# KiCad board TKL.kicad_pcb (continued)
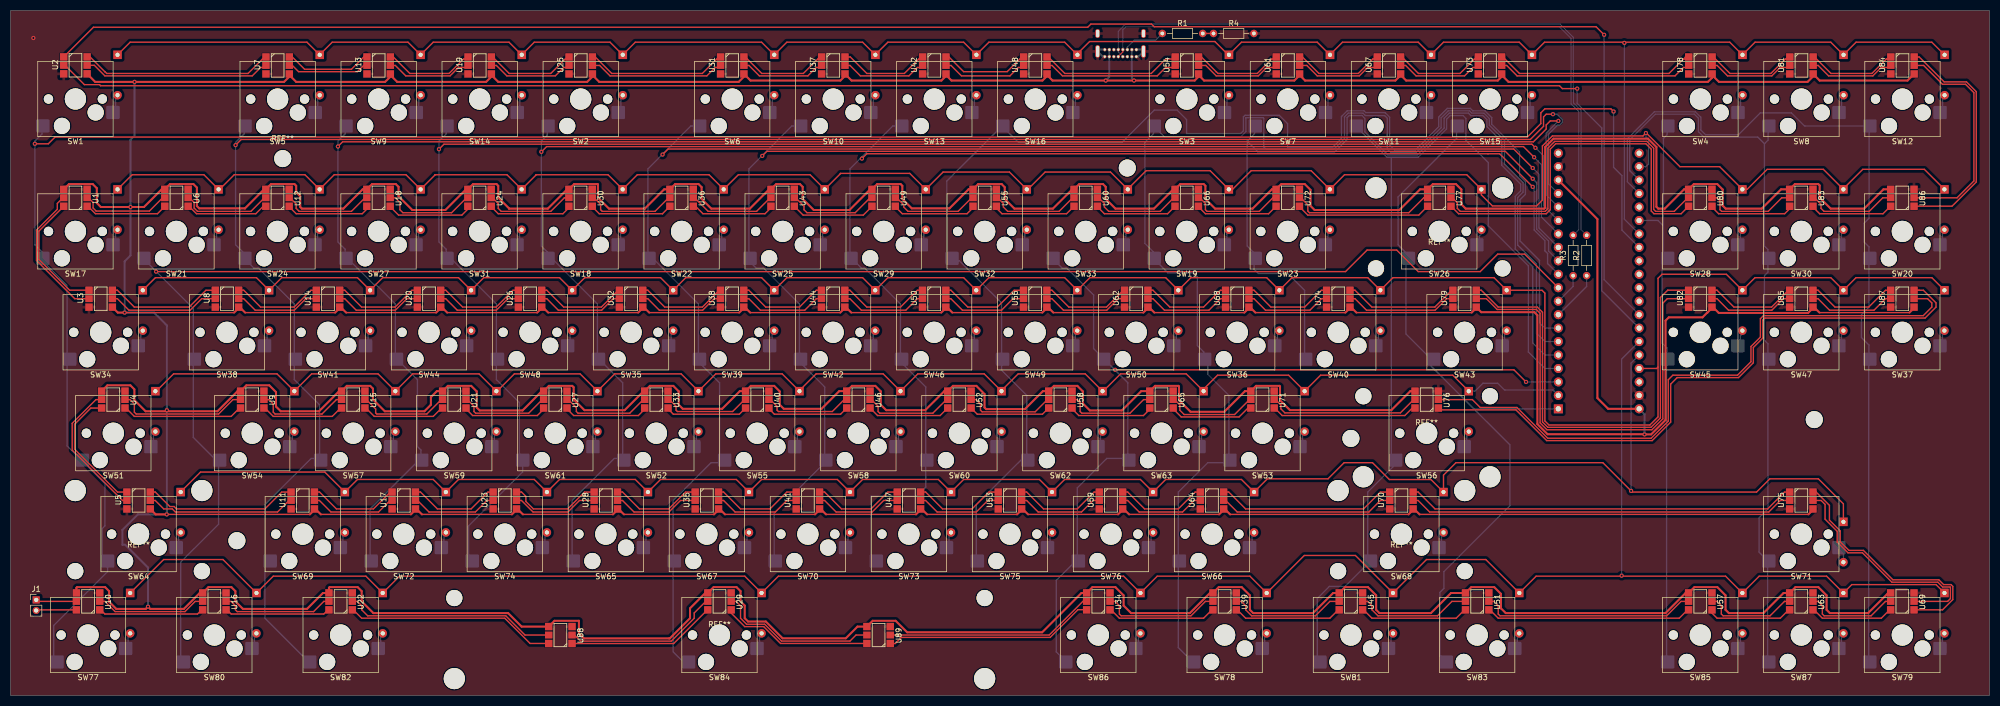
[diagram p0: board, top side]
## Nets
GND: R4.2 U1.3 U2.3 U3.3 U4.3 U5.3 U6.3 U7.3 U8.3 U9.3 U10.3 U11.3 U12.3 U13.3 U14.3 U15.3 U16.3 U17.3 U18.3 U19.3 U20.3 U21.3 U22.3 U23.3 U24.3 U25.3 U26.3 U27.3 U28.3 U29.3 U30.3 U31.3 U32.3 U33.3 U34.3 U35.3 U36.3 U37.3 U38.3 U39.3 U40.3 U41.3 U42.3 U43.3 U44.3 U45.3 U46.3 U47.3 U48.3 U49.3 U50.3 U51.3 U52.3 U53.3 U54.3 U55.3 U56.3 U57.3 U58.3 U59.3 U60.3 U61.3 U62.3 U63.3 U64.3 U65.3 U66.3 U67.3 U68.3 U69.3 U70.3 U71.3 U72.3 U73.3 U74.3 U75.3 U76.3 U77.3 U78.3 U79.3 U80.3 U81.3 U82.3 U83.3 U84.3 U85.3 U86.3 U87.3 U88.3 U89.3 U90.19 U90.39 USB1.A1 USB1.A12 USB1.B1 USB1.B12 USB1.S1
VCC: U1.4 U2.4 U3.4 U4.4 U5.4 U6.4 U7.4 U8.4 U9.4 U10.4 U11.4 U12.4 U13.4 U14.4 U15.4 U16.4 U17.4 U18.4 U19.4 U20.4 U21.4 U22.4 U23.4 U24.4 U25.4 U26.4 U27.4 U28.4 U29.4 U30.4 U31.4 U32.4 U33.4 U34.4 U35.4 U36.4 U37.4 U38.4 U39.4 U40.4 U41.4 U42.4 U43.4 U44.4 U45.4 U46.4 U47.4 U48.4 U49.4 U50.4 U51.4 U52.4 U53.4 U54.4 U55.4 U56.4 U57.4 U58.4 U59.4 U60.4 U61.4 U62.4 U63.4 U64.4 U65.4 U66.4 U67.4 U68.4 U69.4 U70.4 U71.4 U72.4 U73.4 U74.4 U75.4 U76.4 U77.4 U78.4 U79.4 U80.4 U81.4 U82.4 U83.4 U84.4 U85.4 U86.4 U87.4 U88.4 U89.4 U90.18 U90.40 USB1.A4 USB1.A9 USB1.B4 USB1.B9
CIN: U2.2 U90.34
Col1: SW1.1 SW17.1 SW34.1 SW51.1 SW64.1 SW77.1 U90.28
Col2: SW21.1 SW38.1 SW54.1 SW80.1 U90.10
Col3: SW5.1 SW24.1 SW41.1 SW57.1 SW69.1 SW82.1 U90.17
Col4: SW9.1 SW27.1 SW44.1 SW59.1 SW72.1 U90.16
Col5: SW14.1 SW31.1 SW48.1 SW61.1 SW74.1 U90.15
Col6: SW2.1 SW18.1 SW35.1 SW52.1 SW65.1 U90.14
Col7: SW6.1 SW22.1 SW39.1 SW55.1 SW67.1 SW84.1 U90.13
Col8: SW10.1 SW25.1 SW42.1 SW58.1 SW70.1 U90.12
Col9: SW13.1 SW29.1 SW46.1 SW60.1 SW73.1 U90.11
Col10: SW16.1 SW32.1 SW49.1 SW62.1 SW75.1 U90.7
Col11: SW33.1 SW50.1 SW63.1 SW76.1 SW86.1 U90.3
Col12: SW3.1 SW19.1 SW36.1 SW53.1 SW66.1 SW78.1 U90.6
Col13: SW7.1 SW23.1 SW40.1 U90.5
Col14: SW11.1 SW56.1 SW68.1 SW81.1 U90.4
Col15: SW15.1 SW26.1 SW43.1 SW83.1 U90.1
Col16: SW4.1 SW28.1 SW45.1 SW85.1 U90.26
Col17: SW8.1 SW30.1 SW47.1 SW71.1 SW87.1 U90.23
Col18: SW12.1 SW20.1 SW37.1 SW79.1 U90.24
COUT: J1.1 U10.5
D+: R3.2 USB1.A6 USB1.B6
D-: R2.2 USB1.A7 USB1.B7
DIN: U2.1 U90.33
DOUT: J1.2 U10.6
Row1: D1.1 D2.1 D3.1 D4.1 D5.1 D6.1 D7.1 D8.1 D9.1 D10.1 D11.1 D12.1 D13.1 D14.1 D15.1 D16.1 U90.27
Row2: D17.1 D18.1 D19.1 D20.1 D21.1 D22.1 D23.1 D24.1 D25.1 D26.1 D27.1 D28.1 D29.1 D30.1 D31.1 D32.1 D33.1 U90.22
Row3: D34.1 D35.1 D36.1 D37.1 D38.1 D39.1 D40.1 D41.1 D42.1 D43.1 D44.1 D45.1 D46.1 D47.1 D48.1 D49.1 D50.1 U90.37
Row4: D51.1 D52.1 D53.1 D54.1 D55.1 D56.1 D57.1 D58.1 D59.1 D60.1 D61.1 D62.1 D63.1 U90.2
Row5: D64.1 D65.1 D66.1 D67.1 D68.1 D69.1 D70.1 D71.1 D72.1 D73.1 D74.1 D75.1 D76.1 U90.36
Row6: D77.1 D78.1 D79.1 D80.1 D81.1 D82.1 D83.1 D84.1 D85.1 D86.1 D87.1 U90.35
Net-(D1-A): D1.2 SW1.2
Net-(D2-A): D2.2 SW2.2
Net-(D3-A): D3.2 SW3.2
Net-(D4-A): D4.2 SW4.2
Net-(D5-A): D5.2 SW5.2
Net-(D6-A): D6.2 SW6.2
Net-(D7-A): D7.2 SW7.2
Net-(D8-A): D8.2 SW8.2
Net-(D9-A): D9.2 SW9.2
Net-(D10-A): D10.2 SW10.2
Net-(D11-A): D11.2 SW11.2
Net-(D12-A): D12.2 SW12.2
Net-(D13-A): D13.2 SW13.2
Net-(D14-A): D14.2 SW14.2
Net-(D15-A): D15.2 SW15.2
Net-(D16-A): D16.2 SW16.2
Net-(D17-A): D17.2 SW17.2
Net-(D18-A): D18.2 SW18.2
Net-(D19-A): D19.2 SW19.2
Net-(D20-A): D20.2 SW20.2
Net-(D21-A): D21.2 SW21.2
Net-(D22-A): D22.2 SW22.2
Net-(D23-A): D23.2 SW23.2
Net-(D24-A): D24.2 SW24.2
Net-(D25-A): D25.2 SW25.2
Net-(D26-A): D26.2 SW26.2
Net-(D27-A): D27.2 SW27.2
Net-(D28-A): D28.2 SW28.2
Net-(D29-A): D29.2 SW29.2
Net-(D30-A): D30.2 SW30.2
Net-(D31-A): D31.2 SW31.2
Net-(D32-A): D32.2 SW32.2
Net-(D33-A): D33.2 SW33.2
Net-(D34-A): D34.2 SW34.2
Net-(D35-A): D35.2 SW35.2
Net-(D36-A): D36.2 SW36.2
Net-(D37-A): D37.2 SW37.2
Net-(D38-A): D38.2 SW38.2
Net-(D39-A): D39.2 SW39.2
Net-(D40-A): D40.2 SW40.2
Net-(D41-A): D41.2 SW41.2
Net-(D42-A): D42.2 SW42.2
Net-(D43-A): D43.2 SW43.2
Net-(D44-A): D44.2 SW44.2
Net-(D45-A): D45.2 SW45.2
Net-(D46-A): D46.2 SW46.2
Net-(D47-A): D47.2 SW47.2
Net-(D48-A): D48.2 SW48.2
Net-(D49-A): D49.2 SW49.2
Net-(D50-A): D50.2 SW50.2
Net-(D51-A): D51.2 SW51.2
Net-(D52-A): D52.2 SW52.2
Net-(D53-A): D53.2 SW53.2
Net-(D54-A): D54.2 SW54.2
Net-(D55-A): D55.2 SW55.2
Net-(D56-A): D56.2 SW56.2
Net-(D57-A): D57.2 SW57.2
Net-(D58-A): D58.2 SW58.2
Net-(D59-A): D59.2 SW59.2
Net-(D60-A): D60.2 SW60.2
Net-(D61-A): D61.2 SW61.2
Net-(D62-A): D62.2 SW62.2
Net-(D63-A): D63.2 SW63.2
Net-(D64-A): D64.2 SW64.2
Net-(D65-A): D65.2 SW65.2
Net-(D66-A): D66.2 SW66.2
Net-(D67-A): D67.2 SW67.2
Net-(D68-A): D68.2 SW68.2
Net-(D69-A): D69.2 SW69.2
Net-(D70-A): D70.2 SW70.2
Net-(D71-A): D71.2 SW71.2
Net-(D72-A): D72.2 SW72.2
Net-(D73-A): D73.2 SW73.2
Net-(D74-A): D74.2 SW74.2
Net-(D75-A): D75.2 SW75.2
Net-(D76-A): D76.2 SW76.2
Net-(D77-A): D77.2 SW77.2
Net-(D78-A): D78.2 SW78.2
Net-(D79-A): D79.2 SW79.2
Net-(D80-A): D80.2 SW80.2
Net-(D81-A): D81.2 SW81.2
Net-(D82-A): D82.2 SW82.2
Net-(D83-A): D83.2 SW83.2
Net-(D84-A): D84.2 SW84.2
Net-(D85-A): D85.2 SW85.2
Net-(D86-A): D86.2 SW86.2
Net-(D87-A): D87.2 SW87.2
Net-(R1-Pad2): R1.2 R4.1
Net-(U1-CIN): U1.2 U6.5
Net-(U1-COUT): U1.5 U3.2
Net-(U1-DIN): U1.1 U6.6
Net-(U1-DOUT): U1.6 U3.1
Net-(U2-COUT): U2.5 U7.2
Net-(U2-DOUT): U2.6 U7.1
Net-(U3-COUT): U3.5 U8.2
Net-(U3-DOUT): U3.6 U8.1
Net-(U4-CIN): U4.2 U9.5
Net-(U4-COUT): U4.5 U5.2
Net-(U4-DIN): U4.1 U9.6
Net-(U4-DOUT): U4.6 U5.1
Net-(U10-CIN): U10.2 U16.5
Net-(U10-DIN): U10.1 U16.6
Net-(U11-CIN): U5.5 U11.2
Net-(U11-COUT): U11.5 U17.2
Net-(U11-DIN): U5.6 U11.1
Net-(U11-DOUT): U11.6 U17.1
Net-(U12-CIN): U12.2 U18.5
Net-(U12-COUT): U6.2 U12.5
Net-(U12-DIN): U12.1 U18.6
Net-(U12-DOUT): U6.1 U12.6
Net-(U13-CIN): U7.5 U13.2
Net-(U13-COUT): U13.5 U19.2
Net-(U13-DIN): U7.6 U13.1
Net-(U13-DOUT): U13.6 U19.1
Net-(U14-CIN): U8.5 U14.2
Net-(U14-COUT): U14.5 U20.2
Net-(U14-DIN): U8.6 U14.1
Net-(U14-DOUT): U14.6 U20.1
Net-(U15-CIN): U15.2 U21.5
Net-(U15-COUT): U9.2 U15.5
Net-(U15-DIN): U15.1 U21.6
Net-(U15-DOUT): U9.1 U15.6
Net-(U16-CIN): U16.2 U22.5
Net-(U16-DIN): U16.1 U22.6
Net-(U17-COUT): U17.5 U23.2
Net-(U17-DOUT): U17.6 U23.1
Net-(U18-CIN): U18.2 U24.5
Net-(U18-DIN): U18.1 U24.6
Net-(U19-COUT): U19.5 U25.2
Net-(U19-DOUT): U19.6 U25.1
Net-(U20-COUT): U20.5 U26.2
Net-(U20-DOUT): U20.6 U26.1
Net-(U21-CIN): U21.2 U27.5
Net-(U21-DIN): U21.1 U27.6
Net-(U22-CIN): U22.2 U88.5
Net-(U22-DIN): U22.1 U88.6
Net-(U23-COUT): U23.5 U28.2
Net-(U23-DOUT): U23.6 U28.1
Net-(U24-CIN): U24.2 U30.5
Net-(U24-DIN): U24.1 U30.6
Net-(U25-COUT): U25.5 U31.2
Net-(U25-DOUT): U25.6 U31.1
Net-(U26-COUT): U26.5 U32.2
Net-(U26-DOUT): U26.6 U32.1
Net-(U27-CIN): U27.2 U33.5
Net-(U27-DIN): U27.1 U33.6
Net-(U28-COUT): U28.5 U35.2
Net-(U28-DOUT): U28.6 U35.1
Net-(U29-CIN): U29.2 U89.5
Net-(U29-COUT): U29.5 U88.2
Net-(U29-DIN): U29.1 U89.6
Net-(U29-DOUT): U29.6 U88.1
Net-(U30-CIN): U30.2 U36.5
Net-(U30-DIN): U30.1 U36.6
Net-(U31-COUT): U31.5 U37.2
Net-(U31-DOUT): U31.6 U37.1
Net-(U32-COUT): U32.5 U38.2
Net-(U32-DOUT): U32.6 U38.1
Net-(U33-CIN): U33.2 U40.5
Net-(U33-DIN): U33.1 U40.6
Net-(U34-CIN): U34.2 U39.5
Net-(U34-COUT): U34.5 U89.2
Net-(U34-DIN): U34.1 U39.6
Net-(U34-DOUT): U34.6 U89.1
Net-(U35-COUT): U35.5 U41.2
Net-(U35-DOUT): U35.6 U41.1
Net-(U36-CIN): U36.2 U43.5
Net-(U36-DIN): U36.1 U43.6
Net-(U37-COUT): U37.5 U42.2
Net-(U37-DOUT): U37.6 U42.1
Net-(U38-COUT): U38.5 U44.2
Net-(U38-DOUT): U38.6 U44.1
Net-(U39-CIN): U39.2 U45.5
Net-(U39-DIN): U39.1 U45.6
Net-(U40-CIN): U40.2 U46.5
Net-(U40-DIN): U40.1 U46.6
Net-(U41-COUT): U41.5 U47.2
Net-(U41-DOUT): U41.6 U47.1
Net-(U42-COUT): U42.5 U48.2
Net-(U42-DOUT): U42.6 U48.1
Net-(U43-CIN): U43.2 U49.5
Net-(U43-DIN): U43.1 U49.6
Net-(U44-COUT): U44.5 U50.2
Net-(U44-DOUT): U44.6 U50.1
Net-(U45-CIN): U45.2 U51.5
Net-(U45-DIN): U45.1 U51.6
Net-(U46-CIN): U46.2 U52.5
Net-(U46-DIN): U46.1 U52.6
Net-(U47-COUT): U47.5 U53.2
Net-(U47-DOUT): U47.6 U53.1
Net-(U48-COUT): U48.5 U54.2
Net-(U48-DOUT): U48.6 U54.1
Net-(U49-CIN): U49.2 U55.5
Net-(U49-DIN): U49.1 U55.6
Net-(U50-COUT): U50.5 U56.2
Net-(U50-DOUT): U50.6 U56.1
Net-(U51-CIN): U51.2 U57.5
Net-(U51-DIN): U51.1 U57.6
Net-(U52-CIN): U52.2 U58.5
Net-(U52-DIN): U52.1 U58.6
Net-(U53-COUT): U53.5 U59.2
Net-(U53-DOUT): U53.6 U59.1
Net-(U54-COUT): U54.5 U61.2
Net-(U54-DOUT): U54.6 U61.1
Net-(U55-CIN): U55.2 U60.5
Net-(U55-DIN): U55.1 U60.6
Net-(U56-COUT): U56.5 U62.2
Net-(U56-DOUT): U56.6 U62.1
Net-(U57-CIN): U57.2 U63.5
Net-(U57-DIN): U57.1 U63.6
Net-(U58-CIN): U58.2 U65.5
Net-(U58-DIN): U58.1 U65.6
Net-(U59-COUT): U59.5 U64.2
Net-(U59-DOUT): U59.6 U64.1
Net-(U60-CIN): U60.2 U66.5
Net-(U60-DIN): U60.1 U66.6
Net-(U61-COUT): U61.5 U67.2
Net-(U61-DOUT): U61.6 U67.1
Net-(U62-COUT): U62.5 U68.2
Net-(U62-DOUT): U62.6 U68.1
Net-(U63-CIN): U63.2 U69.5
Net-(U63-DIN): U63.1 U69.6
Net-(U64-COUT): U64.5 U70.2
Net-(U64-DOUT): U64.6 U70.1
Net-(U65-CIN): U65.2 U71.5
Net-(U65-DIN): U65.1 U71.6
Net-(U66-CIN): U66.2 U72.5
Net-(U66-DIN): U66.1 U72.6
Net-(U67-COUT): U67.5 U73.2
Net-(U67-DOUT): U67.6 U73.1
Net-(U68-COUT): U68.5 U74.2
Net-(U68-DOUT): U68.6 U74.1
Net-(U69-CIN): U69.2 U75.5
Net-(U69-DIN): U69.1 U75.6
Net-(U70-COUT): U70.5 U75.2
Net-(U70-DOUT): U70.6 U75.1
Net-(U71-CIN): U71.2 U76.5
Net-(U71-DIN): U71.1 U76.6
Net-(U72-CIN): U72.2 U77.5
Net-(U72-DIN): U72.1 U77.6
Net-(U73-COUT): U73.5 U78.2
Net-(U73-DOUT): U73.6 U78.1
Net-(U74-COUT): U74.5 U79.2
Net-(U74-DOUT): U74.6 U79.1
Net-(U76-CIN): U76.2 U87.5
Net-(U76-DIN): U76.1 U87.6
Net-(U77-CIN): U77.2 U80.5
Net-(U77-DIN): U77.1 U80.6
Net-(U78-COUT): U78.5 U81.2
Net-(U78-DOUT): U78.6 U81.1
Net-(U79-COUT): U79.5 U82.2
Net-(U79-DOUT): U79.6 U82.1
Net-(U80-CIN): U80.2 U83.5
Net-(U80-DIN): U80.1 U83.6
Net-(U81-COUT): U81.5 U84.2
Net-(U81-DOUT): U81.6 U84.1
Net-(U82-COUT): U82.5 U85.2
Net-(U82-DOUT): U82.6 U85.1
Net-(U83-CIN): U83.2 U86.5
Net-(U83-DIN): U83.1 U86.6
Net-(U84-COUT): U84.5 U86.2
Net-(U84-DOUT): U84.6 U86.1
Net-(U85-COUT): U85.5 U87.2
Net-(U85-DOUT): U85.6 U87.1
Net-(U90-PA11): R2.1 U90.8
Net-(U90-PA12): R3.1 U90.9
Net-(USB1-CC2): R1.1 USB1.B5

Pads without a net: U90 20 21 25 29 30 31 32 38; USB1 A5 A8 B8

## Via types
v1: diameter 0.8, hole 0.4, Top to Bottom, 35 vias

## Routing (per net, layer and track width the routed paths; a pad name or vN(x,y) marks a point on that pad's centre or on a via; arc(x,y) is an arc through that point)
GND: length 6.5
  Bottom w0.381: USB1.A12 212.64,120.6 213.62,121.58 213.28,121.92 USB1.B1 ; USB1.A1 205.95,120.6 USB1.S1 205.32,121.92 USB1.B12
  vias: v1(4.29,124.11)
VCC: length 2435.4
  Top w0.25: v1(21.5,72.27) 42.14,72.27 ; v1(29.44,34.17) 56.43,34.17 ; 215.67,72.27 232.64,72.27 ; 120.42,72.27 137.39,72.27 ; 191.86,34.17 208.83,34.17 ; 134.71,34.17 151.68,34.17 ; 265.67,34.17 339,34.17 ; 58.51,34.17 75.48,34.17 ; 96.61,34.17 113.58,34.17 ; 153.76,34.17 170.73,34.17 ; 234.72,72.27 251.69,72.27 ; 63.27,72.27 80.24,72.27 ; 158.52,72.27 175.49,72.27 ; 253.77,72.27 275.5,72.27 ; 229.96,34.17 263.6,34.17 ; 341.08,72.27 358.05,72.27 ; 210.91,34.17 227.88,34.17 ; 115.66,34.17 132.63,34.17 ; 196.62,72.27 213.59,72.27 ; 82.32,72.27 99.29,72.27 ; 101.37,72.27 118.34,72.27 ; 139.47,72.27 156.44,72.27 ; 177.57,72.27 194.54,72.27 ; 44.22,72.27 61.19,72.27 ; 77.56,34.17 94.53,34.17 ; 172.81,34.17 189.78,34.17
  Top w0.381: U16.4 37.31,20.44 41.63,20.44 42.39,19.68 42.39,17.75 43.8,16.33 55.89,16.33 58.9,19.34 59.85,19.34 ; 42.14,72.27 43.18,73.31 44.22,72.27 ; 161.45,12.99 159.69,12.99 157.48,10.78 145.57,10.78 142.4,13.95 139.05,13.95 138.43,14.57 138.43,16.95 137.64,17.75 137.64,19.68 136.88,20.44 132.56,20.44 U29.4 ; 77.56,34.17 76.52,35.21 75.48,34.17 ; 56.43,34.17 57.47,35.21 58.51,34.17 ; U57.4 317.5,20.44 321.82,20.44 323.37,18.89 323.37,16.16 324,15.54 330.52,15.54 334.31,19.34 335.28,19.34 ; U43.4 144.36,96.54 148.83,96.54 149.35,96.01 149.35,93.73 151.43,91.64 158.19,91.64 162.09,95.55 ; 176.38,116.94 175.51,116.08 158.58,116.08 U37.4 ; U89.4 162.56,14.09 166.88,14.09 169.05,11.91 194.51,11.91 201.93,19.34 202.72,19.34 ; U39.4 227.81,20.44 232.13,20.44 233.68,18.89 233.68,16.16 234.3,15.54 245.59,15.54 249.38,19.34 250.35,19.34 ; U22.4 60.03,20.31 60.16,20.44 65.44,20.44 66.2,19.68 66.2,17.75 68.41,15.54 93.81,15.54 96.36,12.99 101.12,12.99 ; U27.4 101.5,58.44 105.9,58.44 106.17,58.17 106.17,55.88 108.2,53.85 115.78,53.85 119.38,57.45 ; 208.83,34.17 209.87,35.21 210.91,34.17 ; 138.43,116.97 137.29,115.82 111,115.82 109.86,116.97 108.71,115.82 91.95,115.82 90.81,116.97 89.66,115.82 72.9,115.82 71.75,116.97 70.61,115.82 53.85,115.82 52.7,116.97 51.56,115.82 v1(23.37,115.82) 15.95,115.82 U2.4 ; 213.59,72.27 214.63,73.31 215.67,72.27 ; 229.96,34.17 228.92,35.21 227.88,34.17 ; U5.4 27.36,34.17 v1(29.44,34.17) ; U30.4 106.26,96.54 110.66,96.54 110.74,96.46 110.74,93.98 112.83,91.9 119.58,91.9 123.23,95.55 U36.4 125.31,96.54 129.71,96.54 130.3,95.95 130.3,93.73 132.13,91.9 139.39,91.9 143.04,95.55 ; U15.4 63.4,58.44 67.8,58.44 68.33,57.91 68.33,55.88 70.57,53.64 78.02,53.64 79.25,54.86 79.25,56.32 80.38,57.45 U21.4 82.45,58.44 86.85,58.44 87.89,57.4 87.89,54.36 88.45,53.8 96.53,53.8 100.18,57.45 ; 224.16,116.97 225.04,116.08 242.06,116.08 243.05,117.07 ; 137.39,72.27 138.43,73.31 139.47,72.27 ; 358.05,72.27 359.09,73.31 ; U33.4 120.55,58.44 124.95,58.44 125.98,57.41 125.98,54.86 126.74,54.11 134.17,54.11 137.51,57.45 U40.4 139.58,58.44 143.98,58.44 145.03,57.38 145.03,54.86 145.79,54.11 152.91,54.11 156.25,57.45 U46.4 158.65,58.44 163.05,58.44 164.08,57.4 164.08,54.86 165.1,53.85 172.47,53.85 176.07,57.45 U52.4 177.7,58.44 182.1,58.44 183.64,56.9 183.64,54.36 183.95,54.05 191.26,54.05 194.66,57.45 U58.4 196.74,58.44 201.14,58.44 202.19,57.39 202.19,55.11 203.5,53.8 209.55,53.8 213.2,57.45 U65.4 215.8,58.44 220.2,58.44 220.32,58.33 220.32,55.72 222.5,53.54 228.85,53.54 232.76,57.45 U71.4 234.85,58.44 239.25,58.44 239.37,58.33 239.37,55.72 241.23,53.86 260.35,53.86 263.94,57.45 U76.4 ; 82.32,72.27 81.28,73.31 80.24,72.27 ; 195.43,116.94 194.56,116.08 177.42,116.08 176.53,116.97 ; U9.4 44.45,58.54 48.77,58.54 50.05,57.27 50.05,54.54 50.95,53.64 58.15,53.64 61.95,57.44 ; 157.33,116.94 156.46,116.08 139.53,116.08 U31.4 ; U84.4 357.69,116.08 341.12,116.08 339.89,117.31 ; U4.4 18.26,58.54 22.58,58.54 23.34,57.78 23.34,55.76 25.46,53.64 39,53.64 42.79,57.44 43.18,57.44 ; 101.37,72.27 100.33,73.31 99.29,72.27 ; 61.19,72.27 62.23,73.31 63.27,72.27 ; 253.77,72.27 252.73,73.31 251.69,72.27 ; 265.67,34.17 264.64,35.21 263.6,34.17 ; 281.3,116.97 282.45,115.82 320.04,115.82 320.84,116.62 U78.4 ; 219.24,95.55 215.59,91.9 208.33,91.9 206.5,93.73 206.5,96.01 205.98,96.54 201.51,96.54 U60.4 ; 177.57,72.27 176.53,73.31 175.49,72.27 ; U88.4 102.56,14.09 107.16,14.09 107.16,11.71 108.11,10.76 124.3,10.76 128.11,14.57 128.11,16.44 131,19.34 ; 194.54,72.27 195.58,73.31 196.62,72.27 ; U12.4 49.11,96.54 53.51,96.54 53.85,96.21 53.85,95 54.61,94.23 54.61,92.2 54.91,91.9 62.74,91.9 66.39,95.55 U18.4 68.16,96.54 72.63,96.54 73.15,96.01 73.15,94.23 75.74,91.64 81.99,91.64 85.89,95.55 ; 234.72,72.27 233.68,73.31 232.64,72.27 ; 189.78,34.17 190.82,35.21 191.86,34.17 ; 47.79,95.55 44.2,91.95 44.2,91.95 35.56,91.95 35.12,92.38 35.12,95.88 34.46,96.54 30.06,96.54 U6.4 28.49,95.55 25.15,92.2 v1(22.61,92.2) 17.02,92.2 16.26,92.96 16.26,95.76 15.48,96.54 11.01,96.54 U1.4 ; 275.5,72.27 276.54,73.31 ; 200.19,95.55 196.54,91.9 189.28,91.9 187.45,93.73 187.45,95.95 186.86,96.54 182.46,96.54 U55.4 180.64,95.55 177.04,91.95 169.93,91.95 168.15,93.73 168.15,96.21 167.81,96.54 163.41,96.54 U49.4 ; 339,34.17 340.04,35.21 ; 96.61,34.17 95.57,35.21 94.53,34.17 ; 113.58,34.17 114.62,35.21 115.66,34.17 ; U51.4 275.43,20.44 279.75,20.44 281.03,19.17 281.03,16.44 281.93,15.54 312.05,15.54 315.84,19.34 316.23,19.34 ; U90.18 299.21,89.92 299.21,56.13 301.24,54.1 U90.40 ; v1(21.5,72.27) 20.21,72.27 U3.4 ; 134.71,34.17 133.67,35.21 132.63,34.17 ; 262.25,116.97 263.14,116.08 280.42,116.08 281.15,116.81 U73.4 ; 354.05,19.34 350.25,15.54 343.05,15.54 342.42,16.16 342.42,18.89 340.87,20.44 336.55,20.44 U63.4 ; 120.42,72.27 119.38,73.31 118.34,72.27 ; 153.76,34.17 152.72,35.21 151.68,34.17 ; 36.04,19.34 35.66,19.34 32.66,16.33 26.34,16.33 v1(25.91,16.76) 25.48,16.33 19.92,16.33 18.57,17.68 18.57,19.68 17.82,20.44 12.53,20.44 12.4,20.31 U10.4 ; 158.52,72.27 157.48,73.31 156.44,72.27 ; 170.73,34.17 171.77,35.21 172.81,34.17 ; 339.89,116.88 338.84,115.82 322.14,115.82 320.99,116.97 ; 262.1,117.07 261.11,116.08 244.09,116.08 243.21,116.97 ; 274.16,19.34 271.61,19.34 267.81,15.54 258.11,15.54 257.49,16.16 257.49,18.89 255.94,20.44 251.62,20.44 U45.4 ; U66.4 220.56,96.54 224.96,96.54 225.3,96.21 225.3,93.73 227.13,91.9 234.19,91.9 237.84,95.55 U72.4 239.61,96.54 244.01,96.54 245.12,95.44 245.12,92.41 245.88,91.64 261.87,91.64 265.78,95.55 U77.4 268.19,96.54 272.52,96.54 273.56,95.5 273.56,92.71 274.37,91.9 289.16,91.9 289.36,92.09 289.36,103.52 290.94,105.11 308.76,105.11 310.34,103.52 310.34,92.25 310.69,91.9 311.91,91.9 315.56,95.55 U80.4 317.4,96.54 321.8,96.54 322.84,95.5 322.84,92.46 323.4,91.9 330.2,91.9 333.85,95.55 U83.4 336.45,96.54 340.85,96.54 341.12,96.27 341.12,93.98 343.2,91.9 349.5,91.9 353.15,95.55 U86.4 ; U34.4 204,20.44 208.32,20.44 209.87,18.89 209.87,16.95 211.28,15.54 222.35,15.54 226.15,19.34 226.54,19.34 ; U54.4 224,116.81 223.27,116.08 v1(211.84,116.08) v1(206.5,116.08) 196.47,116.08 195.58,116.97 ; 104.95,95.55 101.3,91.9 93.98,91.9 93.98,91.95 91.95,93.98 91.95,96.21 91.61,96.54 87.21,96.54 U24.4 ; U79.4 277.31,72.35 287.32,72.35 287.89,71.77 287.89,51.23 289.81,49.31 308.07,49.31 v1(308.1,49.28) 309.34,49.28 312.06,51.99 312.06,70.76 312.67,71.37 319.02,71.37 319.92,72.27 319.95,72.27 320.99,73.31 322.1,72.21 338.94,72.21 340.04,73.31 341.08,72.27
  Bottom w0.381: v1(25.91,16.76) 25.91,24.13 21.59,28.45 21.08,28.45 21.08,31.24 24.01,34.17 v1(29.44,34.17) 29.46,34.19 v1(29.46,53.85) 29.46,69.85 27.04,72.27 v1(21.5,72.27) 21.5,81.96 22.61,83.06 v1(22.61,92.2) 22.61,104.9 23.37,105.66 v1(23.37,115.82) ; USB1.B4 211.43,120.6 ; v1(206.5,116.08) 207.17,116.75 USB1.A4 ; USB1.B9 207.18,120.6 ; USB1.A9 211.42,116.51 211.41,116.5 v1(211.84,116.08) ; U90.40 308.1,53.09 v1(308.1,49.28)
CIN: length 337
  Top w0.25: v1(295.4,114.55) 292.61,114.55 292.06,115.1 16.97,115.1 16.76,115.31 13.91,115.31 10.27,118.95
  Bottom w0.25: U90.34 300.03,76.4 300.03,107.13 295.4,111.76 v1(295.4,114.55)
Col1: length 439.1
  Top w0.25: v1(302.26,110.24) 301.75,110.74 289.31,110.74 288.54,109.98 288.54,107.95 286,105.41 8.38,105.41 7.11,104.14 v1(4.57,104.14)
  Bottom w0.25: 5.93,107.52 5.93,106.01 4.57,104.65 v1(4.57,104.14) 4.57,85.09 5.93,83.73 5.93,82.52 ; 8.13,6.95 8.13,13.21 18.29,23.37 SW64.1 ; 5.93,82.1 10.64,77.4 10.64,47.12 17.78,39.97 17.78,32 17.27,31.5 17.27,26.38 ; U90.28 303.84,87.83 303.84,98.12 302.26,99.71 v1(302.26,110.24)
Col2: length 357.3
  Top w0.25: U90.10 285.5,83.31 280.42,83.31 277.11,80.01 265.43,80.01 261.37,84.07 255.78,84.07 251.71,80.01 v1(27.43,80.01)
  Bottom w0.25: 32.07,5.84 32.07,25.18 39.21,32.32 39.21,43.94 34.45,48.7 34.45,73.05 27.49,80.01 v1(27.43,80.01) 27.43,80.07 24.98,82.52
Col3: length 386.3
  Top w0.25: v1(290.83,109.73) 289.56,109.73 289.05,109.22 289.05,107.44 286.57,104.96 43.49,104.96 v1(42.42,103.89)
  Bottom w0.25: v1(290.83,109.73) 291.6,109.73 292.61,108.72 292.61,108.19 292.05,107.63 291.66,107.63 289.99,105.97 289.99,96.59 U90.17 ; 44.03,82.52 45.86,80.69 46.71,80.69 53.5,73.91 53.5,59.62 58.26,54.86 58.26,44.74 56.67,44.74 47.94,36 47.94,14.57 55.88,6.64 ; 44.06,107.5 44.06,106.04 42.42,104.39 v1(42.42,103.89) 42.42,85.09 44.03,83.47
Col4: length 345.4
  Top w0.25: v1(291.85,108.46) 290.32,108.46 289.56,107.7 289.56,106.93 287.14,104.51 62.6,104.51 v1(61.72,103.63)
  Bottom w0.25: 77.37,44.42 77.37,46.33 76.71,46.99 76.71,59.63 72.55,63.79 72.55,73.91 68.85,77.61 68.42,77.61 63.11,82.92 ; 77.41,44.83 67.79,35.21 67.79,24.89 ; 63.08,82.52 63.08,84.24 61.72,85.6 v1(61.72,103.63) 61.72,104.65 63.11,106.04 63.11,107.5 ; v1(291.85,108.46) 289.54,106.16 289.54,94.5 U90.16
Col5: length 313.9
  Top w0.25: v1(287.53,103.38) 286.85,104.06 81.71,104.06 v1(80.77,103.12)
  Bottom w0.25: SW61.1 96.56,42.21 86.36,32 86.36,26.05 ; 82.13,82.52 82.13,84.24 80.77,85.6 v1(80.77,103.12) 80.77,104.65 82.16,106.04 82.16,107.5 ; 83.38,82.13 91.6,73.91 91.6,59.62 95.93,55.29 95.93,45.05 ; U90.15 289.09,92.41 289.09,101.81 v1(287.53,103.38)
Col6: length 297.4
  Top w0.25: v1(287.27,101.6) 285.26,103.61 101.07,103.61 v1(100.08,102.62)
  Bottom w0.25: 105.89,25.69 105.89,36.8 113.82,44.74 115.41,44.74 115.41,59.02 110.65,63.79 110.65,73.91 102.43,82.13 ; 101.18,82.52 101.18,83.73 100.08,84.84 v1(100.08,102.62) 100.08,104.65 101.21,105.78 101.21,107.5 ; v1(287.27,101.6) 288.64,100.23 288.64,90.32 U90.14
Col7: length 299.8
  Top w0.25: v1(122.94,102.11) 123.99,103.16 283.43,103.16 v1(287.02,99.57)
  Bottom w0.25: 134.46,43.94 132.08,43.94 124.94,36.8 124.94,8.22 127.32,5.84 ; 120.77,82.84 129.7,73.91 129.7,62.99 133.68,59.01 133.68,45.38 ; U90.13 288.19,88.23 288.19,98.39 v1(287.02,99.57) ; 129.79,107.5 128.26,107.5 122.94,102.17 v1(122.94,102.11) 122.87,102.11 120.17,99.41 120.17,82.84
Col8: length 262.7
  Top w0.25: v1(141.73,101.85) 142.59,102.71 281.85,102.71 v1(287.02,97.54)
  Bottom w0.25: U90.12 290,83.88 290,85.79 287.74,88.05 287.74,96.81 v1(287.02,97.54) ; 143.99,25.69 143.99,34.42 153.51,43.94 153.51,58.23 148.75,62.99 148.75,73.91 141.96,80.69 140.57,80.69 139.22,82.04 139.22,99.41 141.67,101.85 v1(141.73,101.85) 141.73,101.92 147.31,107.5 148.84,107.5
Col9: length 249.6
  Top w0.25: v1(160.53,101.35) 161.44,102.26 280.77,102.26 v1(287.02,96.01)
  Bottom w0.25: U90.11 289.82,81.53 289.82,83.43 289.3,83.95 289.3,85.85 287.29,87.86 287.29,95.74 v1(287.02,96.01) ; 167.89,107.5 166.36,107.5 160.53,101.67 v1(160.53,101.35) 160.21,101.35 158.27,99.41 158.27,82.84 160.42,80.69 161.01,80.69 167.8,73.91 167.8,62.99 172.56,58.23 172.56,39.31 170.84,37.59 162.24,37.59 162.24,26.48
Col10: length 268.7
  Bottom w0.25: 190.82,44.74 182.09,36 182.09,25.69 ; 191.61,44.74 191.61,56.64 186.85,61.4 186.85,74.1 178.91,82.04 176.53,82.04 176.53,97.09 186.94,107.5 190.04,104.39 209.55,104.39 215.65,110.49 219.96,110.49 221.74,108.71 221.74,106.07 231.93,106.07 232.47,106.61 232.47,109.22 232.77,109.52 239.22,109.52 240.79,107.95 240.79,103.52 249.31,103.52 250.95,105.16 250.95,109.29 252.04,110.37 255.18,110.37 255.52,110.03 259.16,110.03 260.04,109.15 260.04,103.89 260.97,102.95 264.87,102.95 269.3,107.38 269.3,109.22 270.9,110.82 275.26,110.82 275.71,110.37 277.99,110.37 279.28,109.08 279.28,107.82 284.54,102.56 284.54,98.11 285.63,97.02 285.63,94.6 284.62,93.59 284.62,85.79 288.29,82.12 288.29,70.36 289.31,69.34 U90.7
Col11: length 175.4
  Top w0.25: v1(285.75,59.18) 283.46,61.47 v1(208.28,61.47)
  Bottom w0.25: 198.75,6.64 197.17,8.22 197.17,21.72 201.14,25.69 201.14,39.18 206.69,44.74 210.66,44.74 210.66,59.02 208.28,61.4 v1(208.28,61.47) 208.22,61.47 204.21,65.47 204.21,75.59 199.11,80.69 198.26,80.69 196.43,82.52 ; v1(285.75,59.18) U90.3
Col12: length 256.8
  Bottom w0.25: 222.57,6.64 220.19,9.02 220.19,38.39 225.74,43.94 229.71,43.94 229.71,56.64 225.74,60.61 225.74,62.99 ; U90.6 289.31,66.8 287.72,68.39 287.72,81.48 284.17,85.03 284.17,93.98 285.18,95 285.18,96.83 281.69,100.33 281.69,104.79 278.83,107.64 278.83,108.9 277.81,109.92 275.52,109.92 275.07,110.37 271.09,110.37 269.75,109.03 269.75,107.19 265.06,102.5 260.21,102.5 259.59,103.12 259.59,108.97 259.08,109.47 255.45,109.47 255,109.92 252.22,109.92 251.52,109.22 251.52,105.09 249.5,103.07 236.79,103.07 236.3,103.55 236.3,108.93 236.16,109.07 232.96,109.07 232.92,109.03 232.92,106.43 231.9,105.41 217.6,105.41 215.51,107.5 215.51,106.04 213.87,104.39 213.87,85.34 215.48,83.73 215.48,82.52 218.25,79.76 223.01,79.76 223.77,78.99 223.77,66.04 225.01,64.81 225.01,63.47
Col13: length 165.3
  Bottom w0.25: 233.17,104.65 233.17,84.84 234.53,83.47 ; 233.17,104.65 234.56,106.04 234.56,107.5 ; 233.17,104.65 235.2,102.62 249.68,102.62 252.01,104.94 252.01,109.07 252.41,109.47 254.81,109.47 255.35,108.93 255.35,106.39 259.7,102.05 265.24,102.05 270.31,107.12 270.31,108.96 271.27,109.92 274.89,109.92 275.34,109.47 277.62,109.47 278.38,108.71 278.38,107.38 281.18,104.59 281.18,100.08 284.73,96.52 284.73,95.25 283.72,94.23 283.72,84.27 287.02,80.97 287.02,66.55 289.31,64.26 U90.5 ; 244,62.99 244,76.49 240.82,79.66 235.27,79.66 234.47,80.45 234.47,82.84
Col14: length 185.7
  Bottom w0.25: U90.4 289.31,61.72 286.19,64.84 286.19,81.09 278.64,88.65 278.64,100.58 274.4,104.82 274.4,108.93 273.86,109.47 271.46,109.47 270.76,108.78 270.76,106.93 265.43,101.6 260.35,101.6 ; 260.35,101.6 259.51,101.6 253.61,107.5 ; 260.35,101.6 260.35,45.24 ; 260.67,44.74 260.67,43.15 255.91,38.39 255.91,25.69 ; 246.38,6.64 246.38,18.29 248.67,20.57 251.62,20.57 SW68.1
Col15: length 136.4
  Bottom w0.25: 263.11,82.52 263.11,68.23 267.87,63.47 ; U90.1 275.91,54.1 275.37,54.64 ; 275.37,54.64 282.7,47.31 282.7,35.81 270.26,23.37 270.26,20.19 269.49,19.43 269.49,7.52 SW83.1 ; 275.37,54.64 267.81,62.2 267.81,63.79 ; 272.66,107.5 272.66,105.15 261.62,94.11 261.62,85.09 263.11,83.6
Col16: length 106.1
  Bottom w0.25: 312.26,63.79 312.26,5.84 ; 311.66,88.65 310.64,89.66 U90.26 ; 311.66,88.65 311.66,83.18 ; 311.66,88.65 311.66,105.16 312.35,105.85 312.35,107.5 ; 312.32,63.47 312.32,65.63 311.4,66.55 311.4,81.6
Col17: length 143.2
  Bottom w0.25: 331.31,24.89 331.31,5.84 ; 331.37,25.37 329.69,27.05 329.69,33.53 331.37,35.21 331.37,66.39 330.71,67.06 330.71,79.25 331.37,79.91 331.37,84.17 330.71,84.84 330.71,104.14 ; 330.71,104.14 331.4,104.83 331.4,107.5 ; 330.71,104.14 329.44,105.41 319.28,105.41 318.26,106.43 318.26,108.97 317.5,109.73 310.13,109.73 305.31,104.9 305.31,99.06 U90.23
Col18: length 168
  Bottom w0.25: U90.24 304.86,96.97 304.86,105.09 309.95,110.18 317.69,110.18 318.71,109.15 318.71,106.74 319.59,105.86 325.82,105.86 329.95,109.98 335.79,109.98 338.27,107.5 350.45,107.5 350.45,90.1 349.5,89.15 349.5,85.6 350.42,84.68 350.42,73.31 349,71.88 349,67.56 350.42,66.14 350.42,63.47 ; 350.36,62.99 350.36,5.84
COUT: length 7.3
  Top w0.25: U10.5 5.11,17.75
D+: length 129.2
  Top w0.2: 208.87,120.63 209.73,121.48 USB1.B6
  Bottom w0.2: USB1.B6 209.73,125.65 210.31,126.24 292.04,126.24 294.25,124.02 294.25,111.67 295.68,110.24 295.68,87.91 R3.2
D-: length 130.9
  Bottom w0.2: R2.2 296.14,87.91 296.13,110.43 294.7,111.86 294.7,114.84 294.67,114.87 294.67,124.24 292.16,126.75 210.25,126.75 208.88,125.37 USB1.B7 208.88,121.47 209.72,120.63
DIN: length 349.4
  Top w0.25: v1(300.48,124.71) 298.96,126.24 215.65,126.24 215.14,126.75 203.71,126.75 203.1,126.14 15.62,126.14 U2.1
  Bottom w0.25: v1(300.48,124.71) 300.48,78.49 U90.33
DOUT: length 7.5
  Top w0.25: U10.6 4.94,16.15
Row1: length 411.2
  Top w0.25: 229.58,120.94 227.08,123.44 203.45,123.44 201.16,121.15 ; D1.1 22.54,123.32 55.88,123.32 58.26,120.94 ; 201.14,120.94 198.75,123.32 184.47,123.32 182.09,120.94 179.71,123.32 165.42,123.32 163.04,120.94 160.66,123.32 146.37,123.32 D6.1 141.6,123.32 117.79,123.32 115.44,120.96 ; 364.65,120.94 362.27,123.32 347.98,123.32 345.6,120.94 343.22,123.32 328.93,123.32 326.55,120.94 324.17,123.32 304.42,123.32 v1(304.29,123.19) 304.16,123.32 289.24,123.32 D15.1 284.48,123.32 270.19,123.32 267.81,120.94 265.43,123.32 251.14,123.32 248.76,120.94 246.38,123.32 232.09,123.32 229.71,120.94 ; 115.41,120.94 113.03,123.32 98.74,123.32 96.39,120.96 ; 96.36,120.94 93.98,123.32 79.69,123.32 D9.1 74.93,123.32 60.64,123.32 58.29,120.96
  Bottom w0.25: U90.27 304.29,89.92 v1(304.29,123.19)
Row2: length 408.5
  Top w0.25: 210.66,95.6 214.12,99.06 226.19,99.06 D19.1 230.41,95.54 233.93,99.06 245.24,99.06 D23.1 251.52,98.3 274.57,98.3 D26.1 277.34,94.49 279.41,92.41 287.74,92.41 288.84,93.52 288.84,103.74 290.72,105.62 307.8,105.62 v1(308.36,106.17) 308.42,106.17 314.77,99.82 322.26,99.82 D28.1 327.44,95.54 331.22,99.31 341.82,99.31 D30.1 ; 345.6,95.66 349.25,99.31 360.87,99.31 D20.1 ; 191.8,95.54 195.07,98.81 207.39,98.81 D33.1 ; D17.1 22.92,98.3 36.45,98.3 D21.1 ; D32.1 188.34,98.81 175.83,98.81 D29.1 169.54,98.55 156.46,98.55 156.46,98.49 D25.1 150.75,98.3 137.22,98.3 D22.1 131.7,98.3 118.17,98.3 D18.1 112.65,98.3 99.06,98.3 99.06,98.23 D31.1 93.6,98.3 80.01,98.3 80.01,98.23 D27.1 74.55,98.3 61.02,98.3 D24.1 55.5,98.3 42.16,98.3 39.4,95.54
  Bottom w0.25: U90.22 308.36,99.82 308.86,100.33 308.86,104.9 308.36,105.41 v1(308.36,106.17)
Row3: length 426
  Top w0.25: 310.64,61.98 310.64,52.58 309.12,51.05 290.07,51.05 289.31,51.82 289.31,75.95 288.77,76.49 D43.1 279.72,78.87 260.67,78.87 D40.1 255.91,78.87 241.62,78.87 D36.1 236.85,78.87 222.57,78.87 D50.1 217.81,78.87 203.52,78.87 D49.1 198.75,78.87 184.47,78.87 D46.1 179.71,78.87 165.42,78.87 D42.1 160.66,78.87 146.37,78.87 D39.1 141.6,78.87 127.32,78.87 D35.1 122.56,78.87 108.27,78.87 D48.1 103.5,78.87 89.22,78.87 D44.1 84.45,78.87 70.17,78.87 D41.1 65.41,78.87 51.12,78.87 D38.1 46.36,78.87 27.3,78.87 D34.1 ; 310.64,61.98 310.39,61.72 U90.37 ; 310.64,61.98 310.64,78.74 311.4,79.5 323.53,79.5 D45.1 328.93,78.87 343.22,78.87 D47.1 347.98,78.87 362.27,78.87 D37.1
Row4: length 297.5
  Top w0.25: 224.95,57.82 227.58,60.45 240.98,60.45 D53.1 247.02,60.45 271.94,60.45 D56.1 ; 91.73,57.44 95,60.71 107.38,60.71 D61.1 113.92,60.71 126.43,60.71 D52.1 132.97,60.71 145.48,60.71 D55.1 ; 186.85,57.56 189.99,60.71 202.63,60.71 D62.1 ; D60.1 183.58,60.71 171.07,60.71 D58.1 164.53,60.71 151.89,60.71 148.75,57.56 ; D59.1 88.33,60.71 75.82,60.71 D57.1 69.28,60.71 56.77,60.71 D54.1 50.23,60.71 30.73,60.71 27.46,57.44 ; D63.1 221.68,60.71 209.3,60.71 206.03,57.44
  Bottom w0.25: D56.1 276.13,57.44 277.62,58.93 280.42,58.93 281.69,57.66 290.83,57.66 U90.2
